# KiCad board Layer0.kicad_pcb (continued)
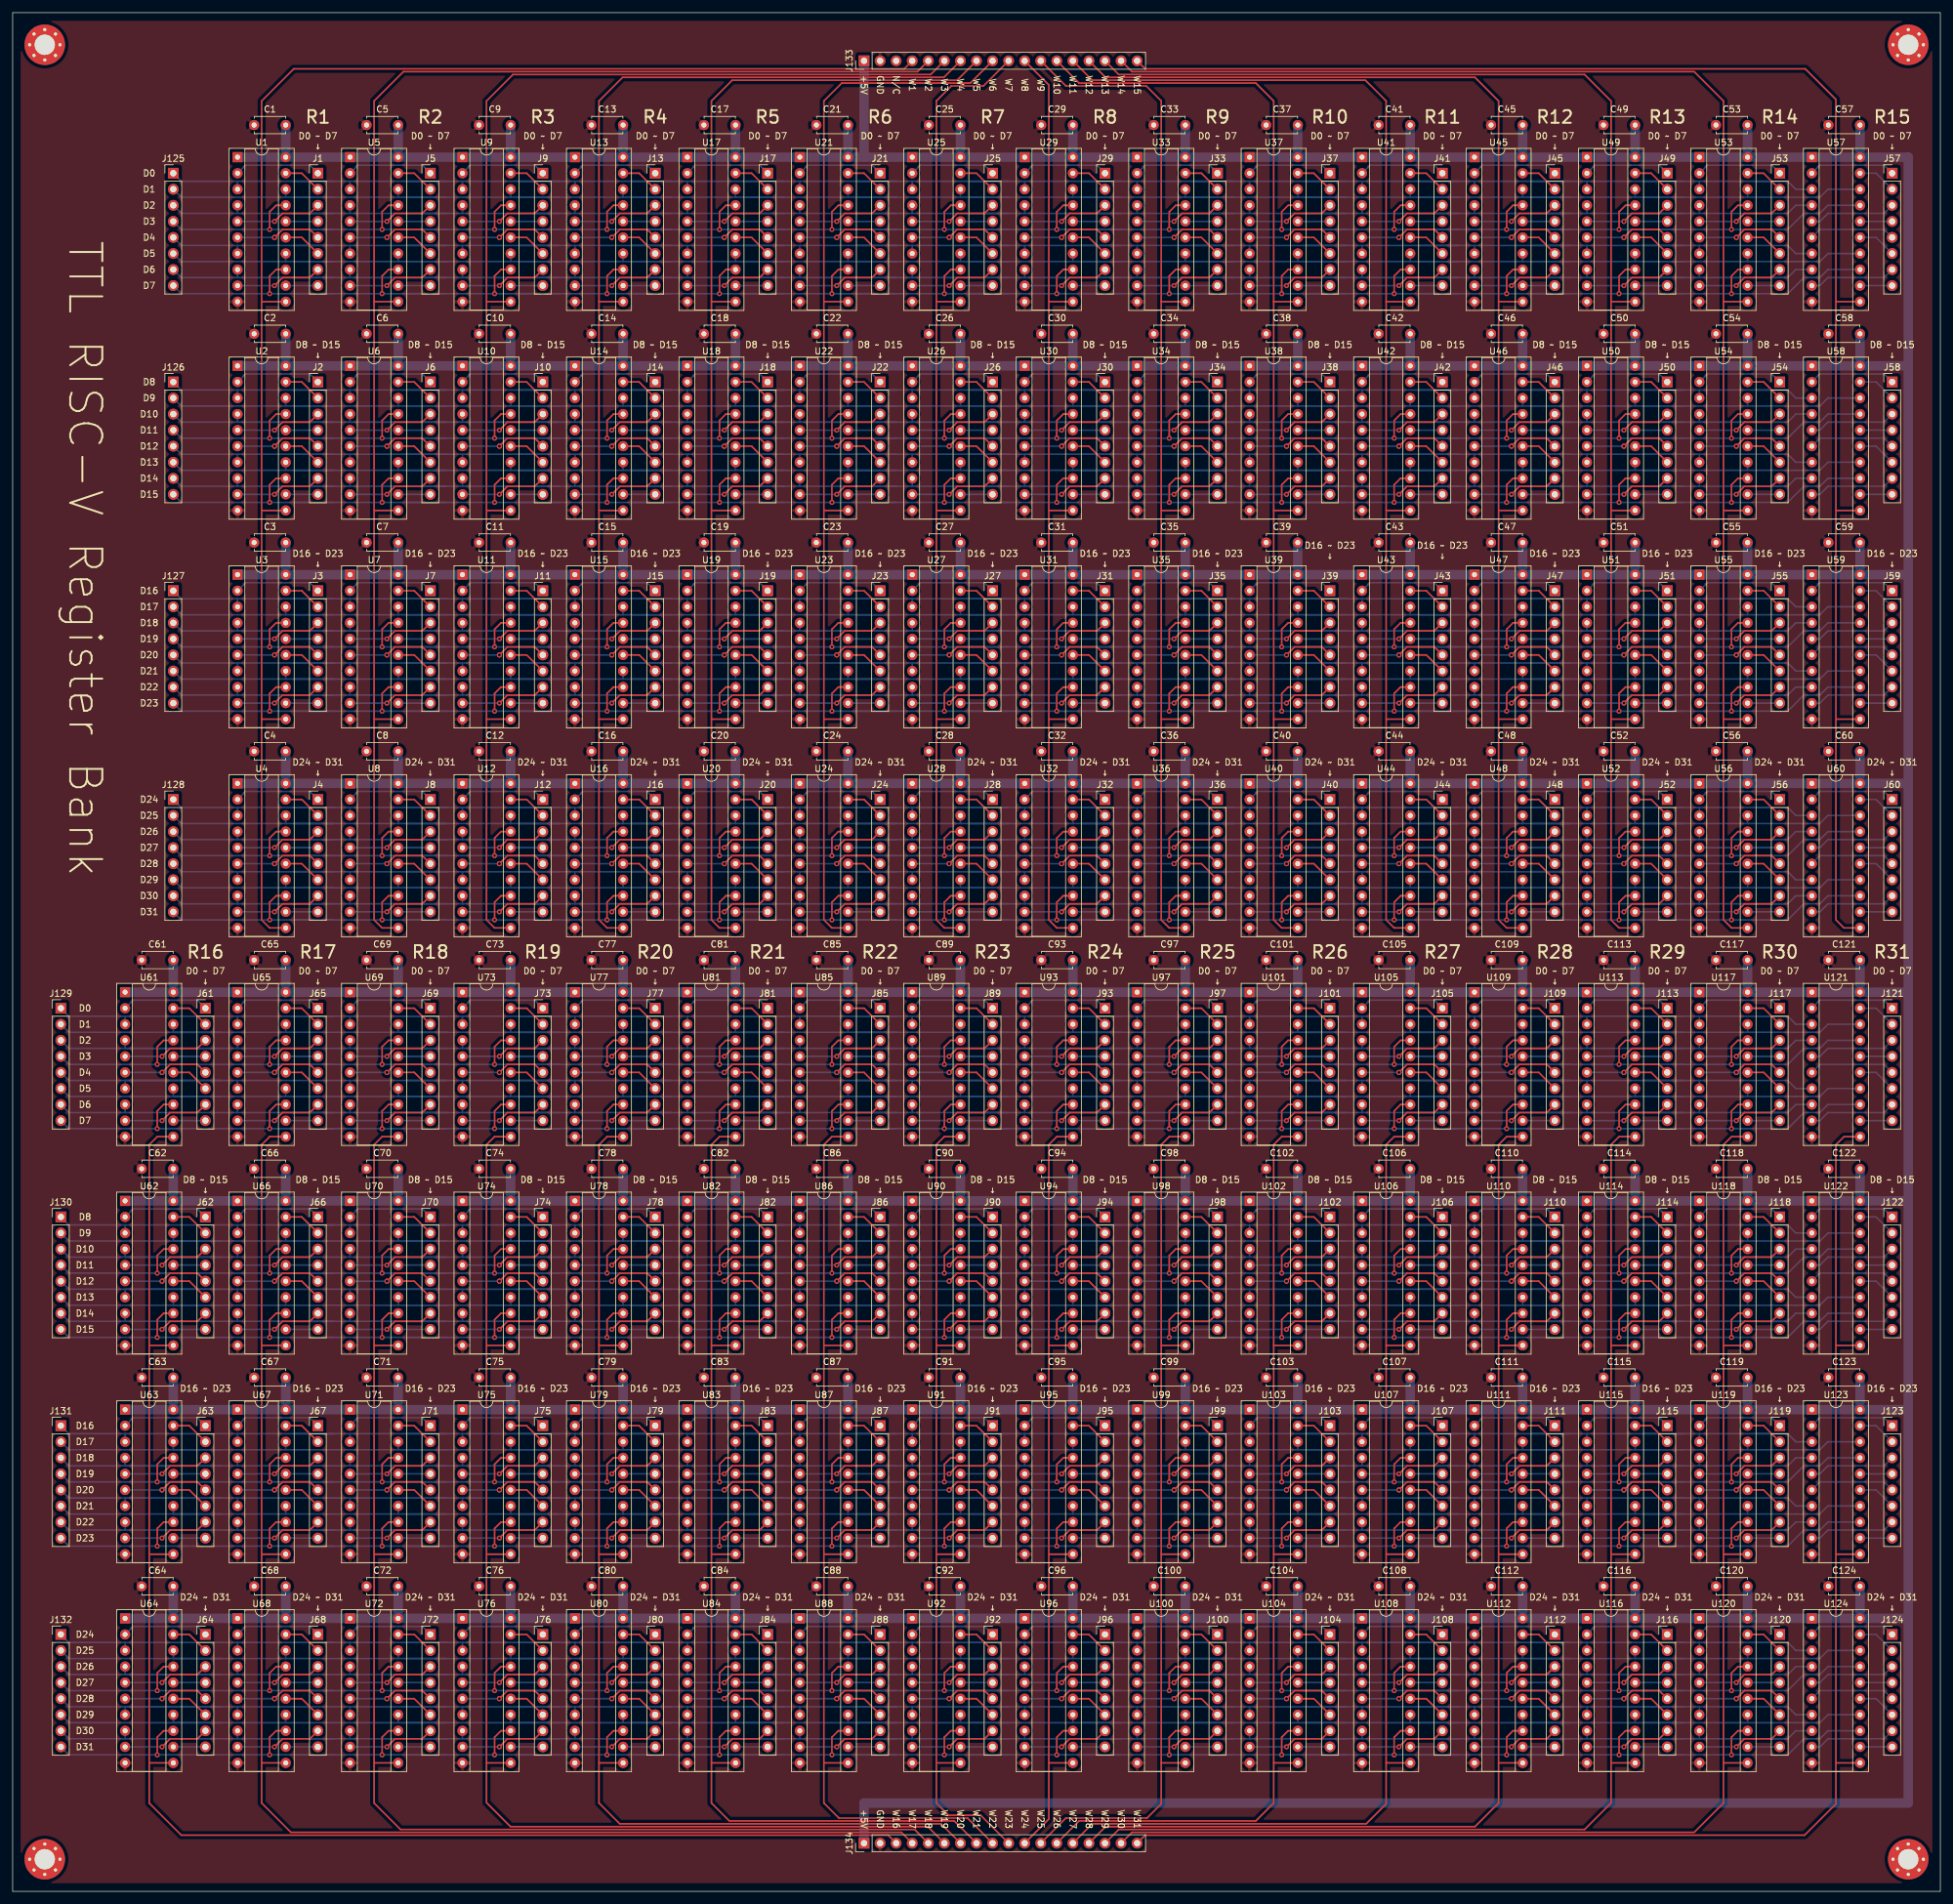
[diagram p0: board, top side]
## Routing (per net, layer and track width the routed paths; a pad name or vN(x,y) marks a point on that pad's centre or on a via; arc(x,y) is an arc through that point) (continued)
/D_W0_5: length 368.1
  Bottom w0.25: 80.01,257.81 104.14,257.81 ; 62.23,257.81 86.36,257.81 ; 44.45,257.81 68.58,257.81 ; U13.14 96.52,257.81 ; U9.14 78.74,257.81 ; U5.14 60.96,257.81 ; 240.03,257.81 264.16,257.81 ; 168.91,257.81 193.04,257.81 ; 97.79,257.81 121.92,257.81 ; 204.47,257.81 228.6,257.81 ; 133.35,257.81 157.48,257.81 ; U49.14 256.54,257.81 ; U33.14 185.42,257.81 ; U17.14 114.3,257.81 ; U45.14 238.76,257.81 ; U29.14 167.64,257.81 ; 222.25,257.81 246.38,257.81 ; 151.13,257.81 175.26,257.81 ; 186.69,257.81 210.82,257.81 ; 115.57,257.81 139.7,257.81 ; U53.14 274.32,257.81 ; U37.14 203.2,257.81 ; U21.14 132.08,257.81 ; U41.14 220.98,257.81 ; U25.14 149.86,257.81 ; J125.6 26.67,257.81 50.8,257.81 ; 257.81,257.81 285.75,257.81 287.02,259.08 U57.14 ; U1.14 43.18,257.81
/D_W0_6: length 365.5
  Bottom w0.25: U13.8 88.9,255.27 ; 88.9,255.27 80.01,255.27 ; 88.9,255.27 104.14,255.27 ; U9.8 71.12,255.27 ; 71.12,255.27 62.23,255.27 ; 71.12,255.27 86.36,255.27 ; U5.8 53.34,255.27 ; 53.34,255.27 44.45,255.27 ; 53.34,255.27 68.58,255.27 ; U49.8 248.92,255.27 ; 248.92,255.27 240.03,255.27 ; 248.92,255.27 264.16,255.27 ; U33.8 177.8,255.27 ; 177.8,255.27 168.91,255.27 ; 177.8,255.27 193.04,255.27 ; U17.8 106.68,255.27 ; 106.68,255.27 97.79,255.27 ; 106.68,255.27 121.92,255.27 ; U41.8 213.36,255.27 ; 213.36,255.27 204.47,255.27 ; 213.36,255.27 228.6,255.27 ; U25.8 142.24,255.27 ; 142.24,255.27 133.35,255.27 ; 142.24,255.27 157.48,255.27 ; 195.58,255.27 210.82,255.27 ; 195.58,255.27 U37.8 ; 195.58,255.27 186.69,255.27 ; 124.46,255.27 139.7,255.27 ; 124.46,255.27 U21.8 ; 124.46,255.27 115.57,255.27 ; 222.25,255.27 231.14,255.27 ; 231.14,255.27 U45.8 ; 231.14,255.27 246.38,255.27 ; 151.13,255.27 160.02,255.27 ; 160.02,255.27 U29.8 ; 160.02,255.27 175.26,255.27 ; U53.8 266.7,255.27 ; 266.7,255.27 257.81,255.27 ; 266.7,255.27 280.67,255.27 ; J125.7 26.67,255.27 35.56,255.27 ; 280.67,255.27 275.59,255.27 ; 280.67,255.27 281.94,256.54 U57.8 ; U1.8 35.56,255.27 ; 35.56,255.27 50.8,255.27
/D_W0_7: length 431.9
  Top w0.25: v1(93.98,252.73) 93.98,255.52 95,256.54 U13.13 ; v1(76.2,252.73) 76.2,255.52 77.22,256.54 U9.13 ; v1(58.42,252.73) 58.42,255.52 59.44,256.54 U5.13 ; v1(254,252.73) 254,255.52 255.02,256.54 U49.13 ; v1(182.88,252.73) 182.88,255.52 183.9,256.54 U33.13 ; v1(111.76,252.73) 111.76,255.52 112.78,256.54 U17.13 ; v1(271.78,252.73) 271.78,255.52 272.8,256.54 U53.13 ; v1(200.66,252.73) 200.66,255.52 201.68,256.54 U37.13 ; v1(129.54,252.73) 129.54,255.52 130.56,256.54 U21.13 ; v1(236.22,252.73) 236.22,255.52 237.24,256.54 U45.13 ; v1(165.1,252.73) 165.1,255.52 166.12,256.54 U29.13 ; v1(218.44,252.73) 218.44,255.52 219.46,256.54 U41.13 ; v1(147.32,252.73) 147.32,255.52 148.34,256.54 U25.13 ; v1(40.64,252.73) 40.64,255.52 41.66,256.54 U1.13
  Bottom w0.25: 80.01,252.73 v1(93.98,252.73) 104.14,252.73 ; 62.23,252.73 v1(76.2,252.73) 86.36,252.73 ; 44.45,252.73 v1(58.42,252.73) 68.58,252.73 ; 222.25,252.73 v1(236.22,252.73) 246.38,252.73 ; 151.13,252.73 v1(165.1,252.73) 175.26,252.73 ; 257.81,252.73 v1(271.78,252.73) 280.67,252.73 283.21,255.27 285.75,255.27 287.02,256.54 U57.13 ; 186.69,252.73 v1(200.66,252.73) 210.82,252.73 ; 115.57,252.73 v1(129.54,252.73) 139.7,252.73 ; 204.47,252.73 v1(218.44,252.73) 228.6,252.73 ; 133.35,252.73 v1(147.32,252.73) 157.48,252.73 ; 240.03,252.73 v1(254,252.73) 264.16,252.73 ; 168.91,252.73 v1(182.88,252.73) 193.04,252.73 ; 97.79,252.73 v1(111.76,252.73) 121.92,252.73 ; J125.8 26.67,252.73 v1(40.64,252.73) 50.8,252.73
/D_W1_0: length 365.5
  Bottom w0.25: 62.23,237.49 71.12,237.49 ; 71.12,237.49 86.36,237.49 ; 71.12,237.49 U10.3 ; 35.56,237.49 50.8,237.49 ; 35.56,237.49 26.67,237.49 J126.1 ; 35.56,237.49 U2.3 ; 266.7,237.49 280.67,237.49 ; 266.7,237.49 U54.3 ; 266.7,237.49 257.81,237.49 ; 280.67,237.49 275.59,237.49 ; 280.67,237.49 281.94,236.22 U58.3 ; 160.02,237.49 175.26,237.49 ; 160.02,237.49 U30.3 ; 160.02,237.49 151.13,237.49 ; 115.57,237.49 124.46,237.49 ; 124.46,237.49 139.7,237.49 ; 124.46,237.49 U22.3 ; 80.01,237.49 88.9,237.49 ; 88.9,237.49 104.14,237.49 ; 88.9,237.49 U14.3 ; 44.45,237.49 53.34,237.49 ; 53.34,237.49 U6.3 ; 53.34,237.49 68.58,237.49 ; 168.91,237.49 177.8,237.49 ; 177.8,237.49 U34.3 ; 177.8,237.49 193.04,237.49 ; 222.25,237.49 231.14,237.49 ; 231.14,237.49 246.38,237.49 ; 231.14,237.49 U46.3 ; U42.3 213.36,237.49 ; 213.36,237.49 228.6,237.49 ; 213.36,237.49 204.47,237.49 ; U26.3 142.24,237.49 ; 142.24,237.49 133.35,237.49 ; 142.24,237.49 157.48,237.49 ; U18.3 106.68,237.49 ; 106.68,237.49 97.79,237.49 ; 106.68,237.49 121.92,237.49 ; 186.69,237.49 195.58,237.49 ; 195.58,237.49 U38.3 ; 195.58,237.49 210.82,237.49 ; 248.92,237.49 264.16,237.49 ; 248.92,237.49 240.03,237.49 ; 248.92,237.49 U50.3
/D_W1_1: length 368.1
  Bottom w0.25: U2.18 43.18,234.95 ; U10.18 78.74,234.95 ; 97.79,234.95 121.92,234.95 ; 151.13,234.95 175.26,234.95 ; U6.18 60.96,234.95 ; U30.18 167.64,234.95 ; 80.01,234.95 104.14,234.95 ; U14.18 96.52,234.95 ; U58.18 287.02,236.22 285.75,234.95 257.81,234.95 ; 240.03,234.95 264.16,234.95 ; U38.18 203.2,234.95 ; U34.18 185.42,234.95 ; U42.18 220.98,234.95 ; 115.57,234.95 139.7,234.95 ; 133.35,234.95 157.48,234.95 ; 50.8,234.95 26.67,234.95 J126.2 ; 44.45,234.95 68.58,234.95 ; 62.23,234.95 86.36,234.95 ; U26.18 149.86,234.95 ; U18.18 114.3,234.95 ; 222.25,234.95 246.38,234.95 ; U50.18 256.54,234.95 ; U54.18 274.32,234.95 ; U46.18 238.76,234.95 ; 168.91,234.95 193.04,234.95 ; 186.69,234.95 210.82,234.95 ; 204.47,234.95 228.6,234.95 ; U22.18 132.08,234.95
/D_W1_2: length 360.5
  Bottom w0.25: 50.8,232.41 26.67,232.41 J126.3 ; U2.4 35.56,232.41 ; U10.4 71.12,232.41 ; U46.4 231.14,232.41 ; 62.23,232.41 86.36,232.41 ; 115.57,232.41 139.7,232.41 ; 257.81,232.41 280.67,232.41 281.94,233.68 U58.4 ; U30.4 160.02,232.41 ; 44.45,232.41 68.58,232.41 ; 151.13,232.41 175.26,232.41 ; U14.4 88.9,232.41 ; U6.4 53.34,232.41 ; 80.01,232.41 104.14,232.41 ; U22.4 124.46,232.41 ; U54.4 266.7,232.41 ; 204.47,232.41 228.6,232.41 ; 168.91,232.41 193.04,232.41 ; U34.4 177.8,232.41 ; U42.4 213.36,232.41 ; 186.69,232.41 210.82,232.41 ; 133.35,232.41 157.48,232.41 ; 97.79,232.41 121.92,232.41 ; U26.4 142.24,232.41 ; U18.4 106.68,232.41 ; 240.03,232.41 264.16,232.41 ; U50.4 248.92,232.41 ; U38.4 195.58,232.41 ; 222.25,232.41 246.38,232.41
/D_W1_3: length 432.6
  Top w0.25: U22.17 130.56,233.68 129.54,232.66 v1(129.54,229.87) ; U30.17 166.12,233.68 165.1,232.66 v1(165.1,229.87) ; v1(93.98,229.87) 93.98,232.66 95,233.68 U14.17 ; U54.17 272.8,233.68 271.78,232.66 v1(271.78,229.87) ; v1(254,229.87) 254,232.66 255.02,233.68 U50.17 ; U46.17 237.24,233.68 236.22,232.66 v1(236.22,229.87) ; v1(111.76,229.87) 111.76,232.66 112.78,233.68 U18.17 ; v1(147.32,229.87) 147.32,232.66 148.34,233.68 U26.17 ; U6.17 59.44,233.68 58.42,232.66 v1(58.42,229.87) ; v1(76.2,229.87) 76.2,232.66 77.22,233.68 U10.17 ; U38.17 201.68,233.68 200.66,232.66 v1(200.66,229.87) ; v1(218.44,229.87) 218.44,232.66 219.46,233.68 U42.17 ; v1(182.88,229.87) 182.88,232.66 183.9,233.68 U34.17 ; v1(40.64,229.87) 40.64,232.66 41.66,233.68 U2.17
  Bottom w0.25: 222.25,229.87 v1(236.22,229.87) 246.38,229.87 ; 115.57,229.87 v1(129.54,229.87) 139.7,229.87 ; 97.79,229.87 v1(111.76,229.87) 121.92,229.87 ; 50.8,229.87 v1(40.64,229.87) 26.67,229.87 J126.4 ; 157.48,229.87 v1(147.32,229.87) 133.35,229.87 ; 68.58,229.87 v1(58.42,229.87) 44.45,229.87 ; 151.13,229.87 v1(165.1,229.87) 175.26,229.87 ; 80.01,229.87 v1(93.98,229.87) 104.14,229.87 ; 86.36,229.87 v1(76.2,229.87) 62.23,229.87 ; U58.17 287.02,233.68 285.75,232.41 283.21,232.41 280.67,229.87 275.59,229.87 ; 240.03,229.87 v1(254,229.87) 264.16,229.87 ; 257.81,229.87 v1(271.78,229.87) 276.22,229.87 ; 193.04,229.87 v1(182.88,229.87) 168.91,229.87 ; 210.82,229.87 v1(200.66,229.87) 186.69,229.87 ; 228.6,229.87 v1(218.44,229.87) 204.47,229.87
/D_W1_4: length 360.5
  Bottom w0.25: U2.7 35.56,227.33 ; 50.8,227.33 26.67,227.33 J126.5 ; 62.23,227.33 86.36,227.33 ; 186.69,227.33 210.82,227.33 ; U10.7 71.12,227.33 ; U22.7 124.46,227.33 ; 80.01,227.33 104.14,227.33 ; U14.7 88.9,227.33 ; U6.7 53.34,227.33 ; 44.45,227.33 68.58,227.33 ; 115.57,227.33 139.7,227.33 ; U46.7 231.14,227.33 ; U38.7 195.58,227.33 ; 222.25,227.33 246.38,227.33 ; U34.7 177.8,227.33 ; U42.7 213.36,227.33 ; 168.91,227.33 193.04,227.33 ; 204.47,227.33 228.6,227.33 ; U58.7 281.94,226.06 280.67,227.33 257.81,227.33 ; U26.7 142.24,227.33 ; 97.79,227.33 121.92,227.33 ; U18.7 106.68,227.33 ; 133.35,227.33 157.48,227.33 ; U50.7 248.92,227.33 ; 240.03,227.33 264.16,227.33 ; U54.7 266.7,227.33 ; U30.7 160.02,227.33 ; 151.13,227.33 175.26,227.33
/D_W1_5: length 368.1
  Bottom w0.25: 50.8,224.79 26.67,224.79 J126.6 ; 62.23,224.79 86.36,224.79 ; U26.14 149.86,224.79 ; 115.57,224.79 139.7,224.79 ; U2.14 43.18,224.79 ; U22.14 132.08,224.79 ; U14.14 96.52,224.79 ; 80.01,224.79 104.14,224.79 ; 44.45,224.79 68.58,224.79 ; 151.13,224.79 175.26,224.79 ; U54.14 274.32,224.79 ; U46.14 238.76,224.79 ; U34.14 185.42,224.79 ; 168.91,224.79 193.04,224.79 ; 204.47,224.79 228.6,224.79 ; U6.14 60.96,224.79 ; U18.14 114.3,224.79 ; U10.14 78.74,224.79 ; U58.14 287.02,226.06 285.75,224.79 257.81,224.79 ; 133.35,224.79 157.48,224.79 ; 97.79,224.79 121.92,224.79 ; 240.03,224.79 264.16,224.79 ; U50.14 256.54,224.79 ; 222.25,224.79 246.38,224.79 ; 186.69,224.79 210.82,224.79 ; U38.14 203.2,224.79 ; U42.14 220.98,224.79 ; U30.14 167.64,224.79
/D_W1_6: length 365.5
  Bottom w0.25: U2.8 35.56,222.25 ; 35.56,222.25 26.67,222.25 J126.7 ; 35.56,222.25 50.8,222.25 ; U10.8 71.12,222.25 ; 71.12,222.25 62.23,222.25 ; 71.12,222.25 86.36,222.25 ; 142.24,222.25 157.48,222.25 ; 142.24,222.25 133.35,222.25 ; 142.24,222.25 U26.8 ; 53.34,222.25 68.58,222.25 ; 53.34,222.25 U6.8 ; 53.34,222.25 44.45,222.25 ; 266.7,222.25 280.67,222.25 ; 266.7,222.25 257.81,222.25 ; 266.7,222.25 U54.8 ; 280.67,222.25 281.94,223.52 U58.8 ; 280.67,222.25 275.59,222.25 ; 80.01,222.25 88.9,222.25 ; 88.9,222.25 U14.8 ; 88.9,222.25 104.14,222.25 ; U30.8 160.02,222.25 ; 160.02,222.25 175.26,222.25 ; 160.02,222.25 151.13,222.25 ; U22.8 124.46,222.25 ; 124.46,222.25 115.57,222.25 ; 124.46,222.25 139.7,222.25 ; U42.8 213.36,222.25 ; 213.36,222.25 204.47,222.25 ; 213.36,222.25 228.6,222.25 ; 222.25,222.25 231.14,222.25 ; 231.14,222.25 U46.8 ; 231.14,222.25 246.38,222.25 ; 177.8,222.25 193.04,222.25 ; 177.8,222.25 U34.8 ; 177.8,222.25 168.91,222.25 ; 195.58,222.25 210.82,222.25 ; 195.58,222.25 U38.8 ; 195.58,222.25 186.69,222.25 ; 106.68,222.25 121.92,222.25 ; 106.68,222.25 U18.8 ; 106.68,222.25 97.79,222.25 ; U50.8 248.92,222.25 ; 248.92,222.25 240.03,222.25 ; 248.92,222.25 264.16,222.25
/D_W1_7: length 431.9
  Top w0.25: v1(40.64,219.71) 40.64,222.5 41.66,223.52 U2.13 ; U26.13 148.34,223.52 147.32,222.5 v1(147.32,219.71) ; v1(58.42,219.71) 58.42,222.5 59.44,223.52 U6.13 ; v1(165.1,219.71) 165.1,222.5 166.12,223.52 U30.13 ; v1(93.98,219.71) 93.98,222.5 95,223.52 U14.13 ; v1(76.2,219.71) 76.2,222.5 77.22,223.52 U10.13 ; v1(236.22,219.71) 236.22,222.5 237.24,223.52 U46.13 ; U34.13 183.9,223.52 182.88,222.5 v1(182.88,219.71) ; U38.13 201.68,223.52 200.66,222.5 v1(200.66,219.71) ; v1(129.54,219.71) 129.54,222.5 130.56,223.52 U22.13 ; U18.13 112.78,223.52 111.76,222.5 v1(111.76,219.71) ; v1(254,219.71) 254,222.5 255.02,223.52 U50.13 ; v1(271.78,219.71) 271.78,222.5 272.8,223.52 U54.13 ; v1(218.44,219.71) 218.44,222.5 219.46,223.52 U42.13
  Bottom w0.25: 115.57,219.71 v1(129.54,219.71) 139.7,219.71 ; U58.13 287.02,223.52 285.75,222.25 283.21,222.25 280.67,219.71 v1(271.78,219.71) 257.81,219.71 ; 151.13,219.71 v1(165.1,219.71) 175.26,219.71 ; 80.01,219.71 v1(93.98,219.71) 104.14,219.71 ; 240.03,219.71 v1(254,219.71) 264.16,219.71 ; 222.25,219.71 v1(236.22,219.71) 246.38,219.71 ; 97.79,219.71 v1(111.76,219.71) 121.92,219.71 ; 157.48,219.71 v1(147.32,219.71) 133.35,219.71 ; 44.45,219.71 v1(58.42,219.71) 68.58,219.71 ; 62.23,219.71 v1(76.2,219.71) 86.36,219.71 ; 186.69,219.71 v1(200.66,219.71) 210.82,219.71 ; 204.47,219.71 v1(218.44,219.71) 228.6,219.71 ; 168.91,219.71 v1(182.88,219.71) 193.04,219.71 ; 50.8,219.71 v1(40.64,219.71) 26.67,219.71 J126.8
/D_W2_0: length 365.5
  Bottom w0.25: 62.23,204.47 71.12,204.47 ; 71.12,204.47 86.36,204.47 ; 71.12,204.47 U11.3 ; 35.56,204.47 50.8,204.47 ; 35.56,204.47 26.67,204.47 J127.1 ; 35.56,204.47 U3.3 ; 266.7,204.47 280.67,204.47 ; 266.7,204.47 U55.3 ; 266.7,204.47 257.81,204.47 ; 280.67,204.47 275.59,204.47 ; 280.67,204.47 281.94,203.2 U59.3 ; 160.02,204.47 175.26,204.47 ; 160.02,204.47 U31.3 ; 160.02,204.47 151.13,204.47 ; 115.57,204.47 124.46,204.47 ; 124.46,204.47 139.7,204.47 ; 124.46,204.47 U23.3 ; 80.01,204.47 88.9,204.47 ; 88.9,204.47 104.14,204.47 ; 88.9,204.47 U15.3 ; 44.45,204.47 53.34,204.47 ; 53.34,204.47 U7.3 ; 53.34,204.47 68.58,204.47 ; 168.91,204.47 177.8,204.47 ; 177.8,204.47 U35.3 ; 177.8,204.47 193.04,204.47 ; 222.25,204.47 231.14,204.47 ; 231.14,204.47 246.38,204.47 ; 231.14,204.47 U47.3 ; U43.3 213.36,204.47 ; 213.36,204.47 228.6,204.47 ; 213.36,204.47 204.47,204.47 ; U27.3 142.24,204.47 ; 142.24,204.47 133.35,204.47 ; 142.24,204.47 157.48,204.47 ; U19.3 106.68,204.47 ; 106.68,204.47 97.79,204.47 ; 106.68,204.47 121.92,204.47 ; 186.69,204.47 195.58,204.47 ; 195.58,204.47 U39.3 ; 195.58,204.47 210.82,204.47 ; 248.92,204.47 264.16,204.47 ; 248.92,204.47 240.03,204.47 ; 248.92,204.47 U51.3
/D_W2_1: length 368.1
  Bottom w0.25: U3.18 43.18,201.93 ; U11.18 78.74,201.93 ; 97.79,201.93 121.92,201.93 ; 151.13,201.93 175.26,201.93 ; U7.18 60.96,201.93 ; U31.18 167.64,201.93 ; 80.01,201.93 104.14,201.93 ; U15.18 96.52,201.93 ; U59.18 287.02,203.2 285.75,201.93 257.81,201.93 ; 240.03,201.93 264.16,201.93 ; U39.18 203.2,201.93 ; U35.18 185.42,201.93 ; U43.18 220.98,201.93 ; 115.57,201.93 139.7,201.93 ; 133.35,201.93 157.48,201.93 ; 50.8,201.93 26.67,201.93 J127.2 ; 44.45,201.93 68.58,201.93 ; 62.23,201.93 86.36,201.93 ; U27.18 149.86,201.93 ; U19.18 114.3,201.93 ; 222.25,201.93 246.38,201.93 ; U51.18 256.54,201.93 ; U55.18 274.32,201.93 ; U47.18 238.76,201.93 ; 168.91,201.93 193.04,201.93 ; 186.69,201.93 210.82,201.93 ; 204.47,201.93 228.6,201.93 ; U23.18 132.08,201.93
/D_W2_2: length 360.5
  Bottom w0.25: 50.8,199.39 26.67,199.39 J127.3 ; U3.4 35.56,199.39 ; U11.4 71.12,199.39 ; U47.4 231.14,199.39 ; 62.23,199.39 86.36,199.39 ; 115.57,199.39 139.7,199.39 ; 257.81,199.39 280.67,199.39 281.94,200.66 U59.4 ; U31.4 160.02,199.39 ; 44.45,199.39 68.58,199.39 ; 151.13,199.39 175.26,199.39 ; U15.4 88.9,199.39 ; U7.4 53.34,199.39 ; 80.01,199.39 104.14,199.39 ; U23.4 124.46,199.39 ; U55.4 266.7,199.39 ; 204.47,199.39 228.6,199.39 ; 168.91,199.39 193.04,199.39 ; U35.4 177.8,199.39 ; U43.4 213.36,199.39 ; 186.69,199.39 210.82,199.39 ; 133.35,199.39 157.48,199.39 ; 97.79,199.39 121.92,199.39 ; U27.4 142.24,199.39 ; U19.4 106.68,199.39 ; 240.03,199.39 264.16,199.39 ; U51.4 248.92,199.39 ; U39.4 195.58,199.39 ; 222.25,199.39 246.38,199.39
/D_W2_3: length 432.6
  Top w0.25: U23.17 130.56,200.66 129.54,199.64 v1(129.54,196.85) ; U31.17 166.12,200.66 165.1,199.64 v1(165.1,196.85) ; v1(93.98,196.85) 93.98,199.64 95,200.66 U15.17 ; U55.17 272.8,200.66 271.78,199.64 v1(271.78,196.85) ; v1(254,196.85) 254,199.64 255.02,200.66 U51.17 ; U47.17 237.24,200.66 236.22,199.64 v1(236.22,196.85) ; v1(111.76,196.85) 111.76,199.64 112.78,200.66 U19.17 ; v1(147.32,196.85) 147.32,199.64 148.34,200.66 U27.17 ; U7.17 59.44,200.66 58.42,199.64 v1(58.42,196.85) ; v1(76.2,196.85) 76.2,199.64 77.22,200.66 U11.17 ; U39.17 201.68,200.66 200.66,199.64 v1(200.66,196.85) ; v1(218.44,196.85) 218.44,199.64 219.46,200.66 U43.17 ; v1(182.88,196.85) 182.88,199.64 183.9,200.66 U35.17 ; v1(40.64,196.85) 40.64,199.64 41.66,200.66 U3.17
  Bottom w0.25: 222.25,196.85 v1(236.22,196.85) 246.38,196.85 ; 115.57,196.85 v1(129.54,196.85) 139.7,196.85 ; 97.79,196.85 v1(111.76,196.85) 121.92,196.85 ; 50.8,196.85 v1(40.64,196.85) 26.67,196.85 J127.4 ; 157.48,196.85 v1(147.32,196.85) 133.35,196.85 ; 68.58,196.85 v1(58.42,196.85) 44.45,196.85 ; 151.13,196.85 v1(165.1,196.85) 175.26,196.85 ; 80.01,196.85 v1(93.98,196.85) 104.14,196.85 ; 86.36,196.85 v1(76.2,196.85) 62.23,196.85 ; U59.17 287.02,200.66 285.75,199.39 283.21,199.39 280.67,196.85 275.59,196.85 ; 240.03,196.85 v1(254,196.85) 264.16,196.85 ; 257.81,196.85 v1(271.78,196.85) 276.22,196.85 ; 193.04,196.85 v1(182.88,196.85) 168.91,196.85 ; 210.82,196.85 v1(200.66,196.85) 186.69,196.85 ; 228.6,196.85 v1(218.44,196.85) 204.47,196.85
/D_W2_4: length 360.5
  Bottom w0.25: U3.7 35.56,194.31 ; 50.8,194.31 26.67,194.31 J127.5 ; 62.23,194.31 86.36,194.31 ; 186.69,194.31 210.82,194.31 ; U11.7 71.12,194.31 ; U23.7 124.46,194.31 ; 80.01,194.31 104.14,194.31 ; U15.7 88.9,194.31 ; U7.7 53.34,194.31 ; 44.45,194.31 68.58,194.31 ; 115.57,194.31 139.7,194.31 ; U47.7 231.14,194.31 ; U39.7 195.58,194.31 ; 222.25,194.31 246.38,194.31 ; U35.7 177.8,194.31 ; U43.7 213.36,194.31 ; 168.91,194.31 193.04,194.31 ; 204.47,194.31 228.6,194.31 ; U59.7 281.94,193.04 280.67,194.31 257.81,194.31 ; U27.7 142.24,194.31 ; 97.79,194.31 121.92,194.31 ; U19.7 106.68,194.31 ; 133.35,194.31 157.48,194.31 ; U51.7 248.92,194.31 ; 240.03,194.31 264.16,194.31 ; U55.7 266.7,194.31 ; U31.7 160.02,194.31 ; 151.13,194.31 175.26,194.31
/D_W2_5: length 368.1
  Bottom w0.25: 50.8,191.77 26.67,191.77 J127.6 ; 62.23,191.77 86.36,191.77 ; U27.14 149.86,191.77 ; 115.57,191.77 139.7,191.77 ; U3.14 43.18,191.77 ; U23.14 132.08,191.77 ; U15.14 96.52,191.77 ; 80.01,191.77 104.14,191.77 ; 44.45,191.77 68.58,191.77 ; 151.13,191.77 175.26,191.77 ; U55.14 274.32,191.77 ; U47.14 238.76,191.77 ; U35.14 185.42,191.77 ; 168.91,191.77 193.04,191.77 ; 204.47,191.77 228.6,191.77 ; U7.14 60.96,191.77 ; U19.14 114.3,191.77 ; U11.14 78.74,191.77 ; U59.14 287.02,193.04 285.75,191.77 257.81,191.77 ; 133.35,191.77 157.48,191.77 ; 97.79,191.77 121.92,191.77 ; 240.03,191.77 264.16,191.77 ; U51.14 256.54,191.77 ; 222.25,191.77 246.38,191.77 ; 186.69,191.77 210.82,191.77 ; U39.14 203.2,191.77 ; U43.14 220.98,191.77 ; U31.14 167.64,191.77
/D_W2_6: length 365.5
  Bottom w0.25: U3.8 35.56,189.23 ; 35.56,189.23 26.67,189.23 J127.7 ; 35.56,189.23 50.8,189.23 ; U11.8 71.12,189.23 ; 71.12,189.23 62.23,189.23 ; 71.12,189.23 86.36,189.23 ; 142.24,189.23 157.48,189.23 ; 142.24,189.23 133.35,189.23 ; 142.24,189.23 U27.8 ; 53.34,189.23 68.58,189.23 ; 53.34,189.23 U7.8 ; 53.34,189.23 44.45,189.23 ; 266.7,189.23 280.67,189.23 ; 266.7,189.23 257.81,189.23 ; 266.7,189.23 U55.8 ; 280.67,189.23 281.94,190.5 U59.8 ; 280.67,189.23 275.59,189.23 ; 80.01,189.23 88.9,189.23 ; 88.9,189.23 U15.8 ; 88.9,189.23 104.14,189.23 ; U31.8 160.02,189.23 ; 160.02,189.23 175.26,189.23 ; 160.02,189.23 151.13,189.23 ; U23.8 124.46,189.23 ; 124.46,189.23 115.57,189.23 ; 124.46,189.23 139.7,189.23 ; U43.8 213.36,189.23 ; 213.36,189.23 204.47,189.23 ; 213.36,189.23 228.6,189.23 ; 222.25,189.23 231.14,189.23 ; 231.14,189.23 U47.8 ; 231.14,189.23 246.38,189.23 ; 177.8,189.23 193.04,189.23 ; 177.8,189.23 U35.8 ; 177.8,189.23 168.91,189.23 ; 195.58,189.23 210.82,189.23 ; 195.58,189.23 U39.8 ; 195.58,189.23 186.69,189.23 ; 106.68,189.23 121.92,189.23 ; 106.68,189.23 U19.8 ; 106.68,189.23 97.79,189.23 ; U51.8 248.92,189.23 ; 248.92,189.23 240.03,189.23 ; 248.92,189.23 264.16,189.23
/D_W2_7: length 431.9
  Top w0.25: v1(40.64,186.69) 40.64,189.48 41.66,190.5 U3.13 ; U27.13 148.34,190.5 147.32,189.48 v1(147.32,186.69) ; v1(58.42,186.69) 58.42,189.48 59.44,190.5 U7.13 ; v1(165.1,186.69) 165.1,189.48 166.12,190.5 U31.13 ; v1(93.98,186.69) 93.98,189.48 95,190.5 U15.13 ; v1(76.2,186.69) 76.2,189.48 77.22,190.5 U11.13 ; v1(236.22,186.69) 236.22,189.48 237.24,190.5 U47.13 ; U35.13 183.9,190.5 182.88,189.48 v1(182.88,186.69) ; U39.13 201.68,190.5 200.66,189.48 v1(200.66,186.69) ; v1(129.54,186.69) 129.54,189.48 130.56,190.5 U23.13 ; U19.13 112.78,190.5 111.76,189.48 v1(111.76,186.69) ; v1(254,186.69) 254,189.48 255.02,190.5 U51.13 ; v1(271.78,186.69) 271.78,189.48 272.8,190.5 U55.13 ; v1(218.44,186.69) 218.44,189.48 219.46,190.5 U43.13
  Bottom w0.25: 115.57,186.69 v1(129.54,186.69) 139.7,186.69 ; U59.13 287.02,190.5 285.75,189.23 283.21,189.23 280.67,186.69 v1(271.78,186.69) 257.81,186.69 ; 151.13,186.69 v1(165.1,186.69) 175.26,186.69 ; 80.01,186.69 v1(93.98,186.69) 104.14,186.69 ; 240.03,186.69 v1(254,186.69) 264.16,186.69 ; 222.25,186.69 v1(236.22,186.69) 246.38,186.69 ; 97.79,186.69 v1(111.76,186.69) 121.92,186.69 ; 157.48,186.69 v1(147.32,186.69) 133.35,186.69 ; 44.45,186.69 v1(58.42,186.69) 68.58,186.69 ; 62.23,186.69 v1(76.2,186.69) 86.36,186.69 ; 186.69,186.69 v1(200.66,186.69) 210.82,186.69 ; 204.47,186.69 v1(218.44,186.69) 228.6,186.69 ; 168.91,186.69 v1(182.88,186.69) 193.04,186.69 ; 50.8,186.69 v1(40.64,186.69) 26.67,186.69 J127.8
/D_W3_0: length 365.5
  Bottom w0.25: 62.23,171.45 71.12,171.45 ; 71.12,171.45 86.36,171.45 ; 71.12,171.45 U12.3 ; 35.56,171.45 50.8,171.45 ; 35.56,171.45 26.67,171.45 J128.1 ; 35.56,171.45 U4.3 ; 266.7,171.45 280.67,171.45 ; 266.7,171.45 U56.3 ; 266.7,171.45 257.81,171.45 ; 280.67,171.45 275.59,171.45 ; 280.67,171.45 281.94,170.18 U60.3 ; 160.02,171.45 175.26,171.45 ; 160.02,171.45 U32.3 ; 160.02,171.45 151.13,171.45 ; 115.57,171.45 124.46,171.45 ; 124.46,171.45 139.7,171.45 ; 124.46,171.45 U24.3 ; 80.01,171.45 88.9,171.45 ; 88.9,171.45 104.14,171.45 ; 88.9,171.45 U16.3 ; 44.45,171.45 53.34,171.45 ; 53.34,171.45 U8.3 ; 53.34,171.45 68.58,171.45 ; 168.91,171.45 177.8,171.45 ; 177.8,171.45 U36.3 ; 177.8,171.45 193.04,171.45 ; 222.25,171.45 231.14,171.45 ; 231.14,171.45 246.38,171.45 ; 231.14,171.45 U48.3 ; U44.3 213.36,171.45 ; 213.36,171.45 228.6,171.45 ; 213.36,171.45 204.47,171.45 ; U28.3 142.24,171.45 ; 142.24,171.45 133.35,171.45 ; 142.24,171.45 157.48,171.45 ; U20.3 106.68,171.45 ; 106.68,171.45 97.79,171.45 ; 106.68,171.45 121.92,171.45 ; 186.69,171.45 195.58,171.45 ; 195.58,171.45 U40.3 ; 195.58,171.45 210.82,171.45 ; 248.92,171.45 264.16,171.45 ; 248.92,171.45 240.03,171.45 ; 248.92,171.45 U52.3
/D_W3_1: length 368.1
  Bottom w0.25: U4.18 43.18,168.91 ; U12.18 78.74,168.91 ; 97.79,168.91 121.92,168.91 ; 151.13,168.91 175.26,168.91 ; U8.18 60.96,168.91 ; U32.18 167.64,168.91 ; 80.01,168.91 104.14,168.91 ; U16.18 96.52,168.91 ; U60.18 287.02,170.18 285.75,168.91 257.81,168.91 ; 240.03,168.91 264.16,168.91 ; U40.18 203.2,168.91 ; U36.18 185.42,168.91 ; U44.18 220.98,168.91 ; 115.57,168.91 139.7,168.91 ; 133.35,168.91 157.48,168.91 ; 50.8,168.91 26.67,168.91 J128.2 ; 44.45,168.91 68.58,168.91 ; 62.23,168.91 86.36,168.91 ; U28.18 149.86,168.91 ; U20.18 114.3,168.91 ; 222.25,168.91 246.38,168.91 ; U52.18 256.54,168.91 ; U56.18 274.32,168.91 ; U48.18 238.76,168.91 ; 168.91,168.91 193.04,168.91 ; 186.69,168.91 210.82,168.91 ; 204.47,168.91 228.6,168.91 ; U24.18 132.08,168.91
/D_W3_2: length 360.5
  Bottom w0.25: 50.8,166.37 26.67,166.37 J128.3 ; U4.4 35.56,166.37 ; U12.4 71.12,166.37 ; U48.4 231.14,166.37 ; 62.23,166.37 86.36,166.37 ; 115.57,166.37 139.7,166.37 ; 257.81,166.37 280.67,166.37 281.94,167.64 U60.4 ; U32.4 160.02,166.37 ; 44.45,166.37 68.58,166.37 ; 151.13,166.37 175.26,166.37 ; U16.4 88.9,166.37 ; U8.4 53.34,166.37 ; 80.01,166.37 104.14,166.37 ; U24.4 124.46,166.37 ; U56.4 266.7,166.37 ; 204.47,166.37 228.6,166.37 ; 168.91,166.37 193.04,166.37 ; U36.4 177.8,166.37 ; U44.4 213.36,166.37 ; 186.69,166.37 210.82,166.37 ; 133.35,166.37 157.48,166.37 ; 97.79,166.37 121.92,166.37 ; U28.4 142.24,166.37 ; U20.4 106.68,166.37 ; 240.03,166.37 264.16,166.37 ; U52.4 248.92,166.37 ; U40.4 195.58,166.37 ; 222.25,166.37 246.38,166.37
/D_W3_3: length 432.6
  Top w0.25: U24.17 130.56,167.64 129.54,166.62 v1(129.54,163.83) ; U32.17 166.12,167.64 165.1,166.62 v1(165.1,163.83) ; v1(93.98,163.83) 93.98,166.62 95,167.64 U16.17 ; U56.17 272.8,167.64 271.78,166.62 v1(271.78,163.83) ; v1(254,163.83) 254,166.62 255.02,167.64 U52.17 ; U48.17 237.24,167.64 236.22,166.62 v1(236.22,163.83) ; v1(111.76,163.83) 111.76,166.62 112.78,167.64 U20.17 ; v1(147.32,163.83) 147.32,166.62 148.34,167.64 U28.17 ; U8.17 59.44,167.64 58.42,166.62 v1(58.42,163.83) ; v1(76.2,163.83) 76.2,166.62 77.22,167.64 U12.17 ; U40.17 201.68,167.64 200.66,166.62 v1(200.66,163.83) ; v1(218.44,163.83) 218.44,166.62 219.46,167.64 U44.17 ; v1(182.88,163.83) 182.88,166.62 183.9,167.64 U36.17 ; v1(40.64,163.83) 40.64,166.62 41.66,167.64 U4.17
  Bottom w0.25: 222.25,163.83 v1(236.22,163.83) 246.38,163.83 ; 115.57,163.83 v1(129.54,163.83) 139.7,163.83 ; 97.79,163.83 v1(111.76,163.83) 121.92,163.83 ; 50.8,163.83 v1(40.64,163.83) 26.67,163.83 J128.4 ; 157.48,163.83 v1(147.32,163.83) 133.35,163.83 ; 68.58,163.83 v1(58.42,163.83) 44.45,163.83 ; 151.13,163.83 v1(165.1,163.83) 175.26,163.83 ; 80.01,163.83 v1(93.98,163.83) 104.14,163.83 ; 86.36,163.83 v1(76.2,163.83) 62.23,163.83 ; U60.17 287.02,167.64 285.75,166.37 283.21,166.37 280.67,163.83 275.59,163.83 ; 240.03,163.83 v1(254,163.83) 264.16,163.83 ; 257.81,163.83 v1(271.78,163.83) 276.22,163.83 ; 193.04,163.83 v1(182.88,163.83) 168.91,163.83 ; 210.82,163.83 v1(200.66,163.83) 186.69,163.83 ; 228.6,163.83 v1(218.44,163.83) 204.47,163.83
